# Altium PCB ZYNQ_JTY_16CH.PcbDoc (part 2 of 4) (continued)
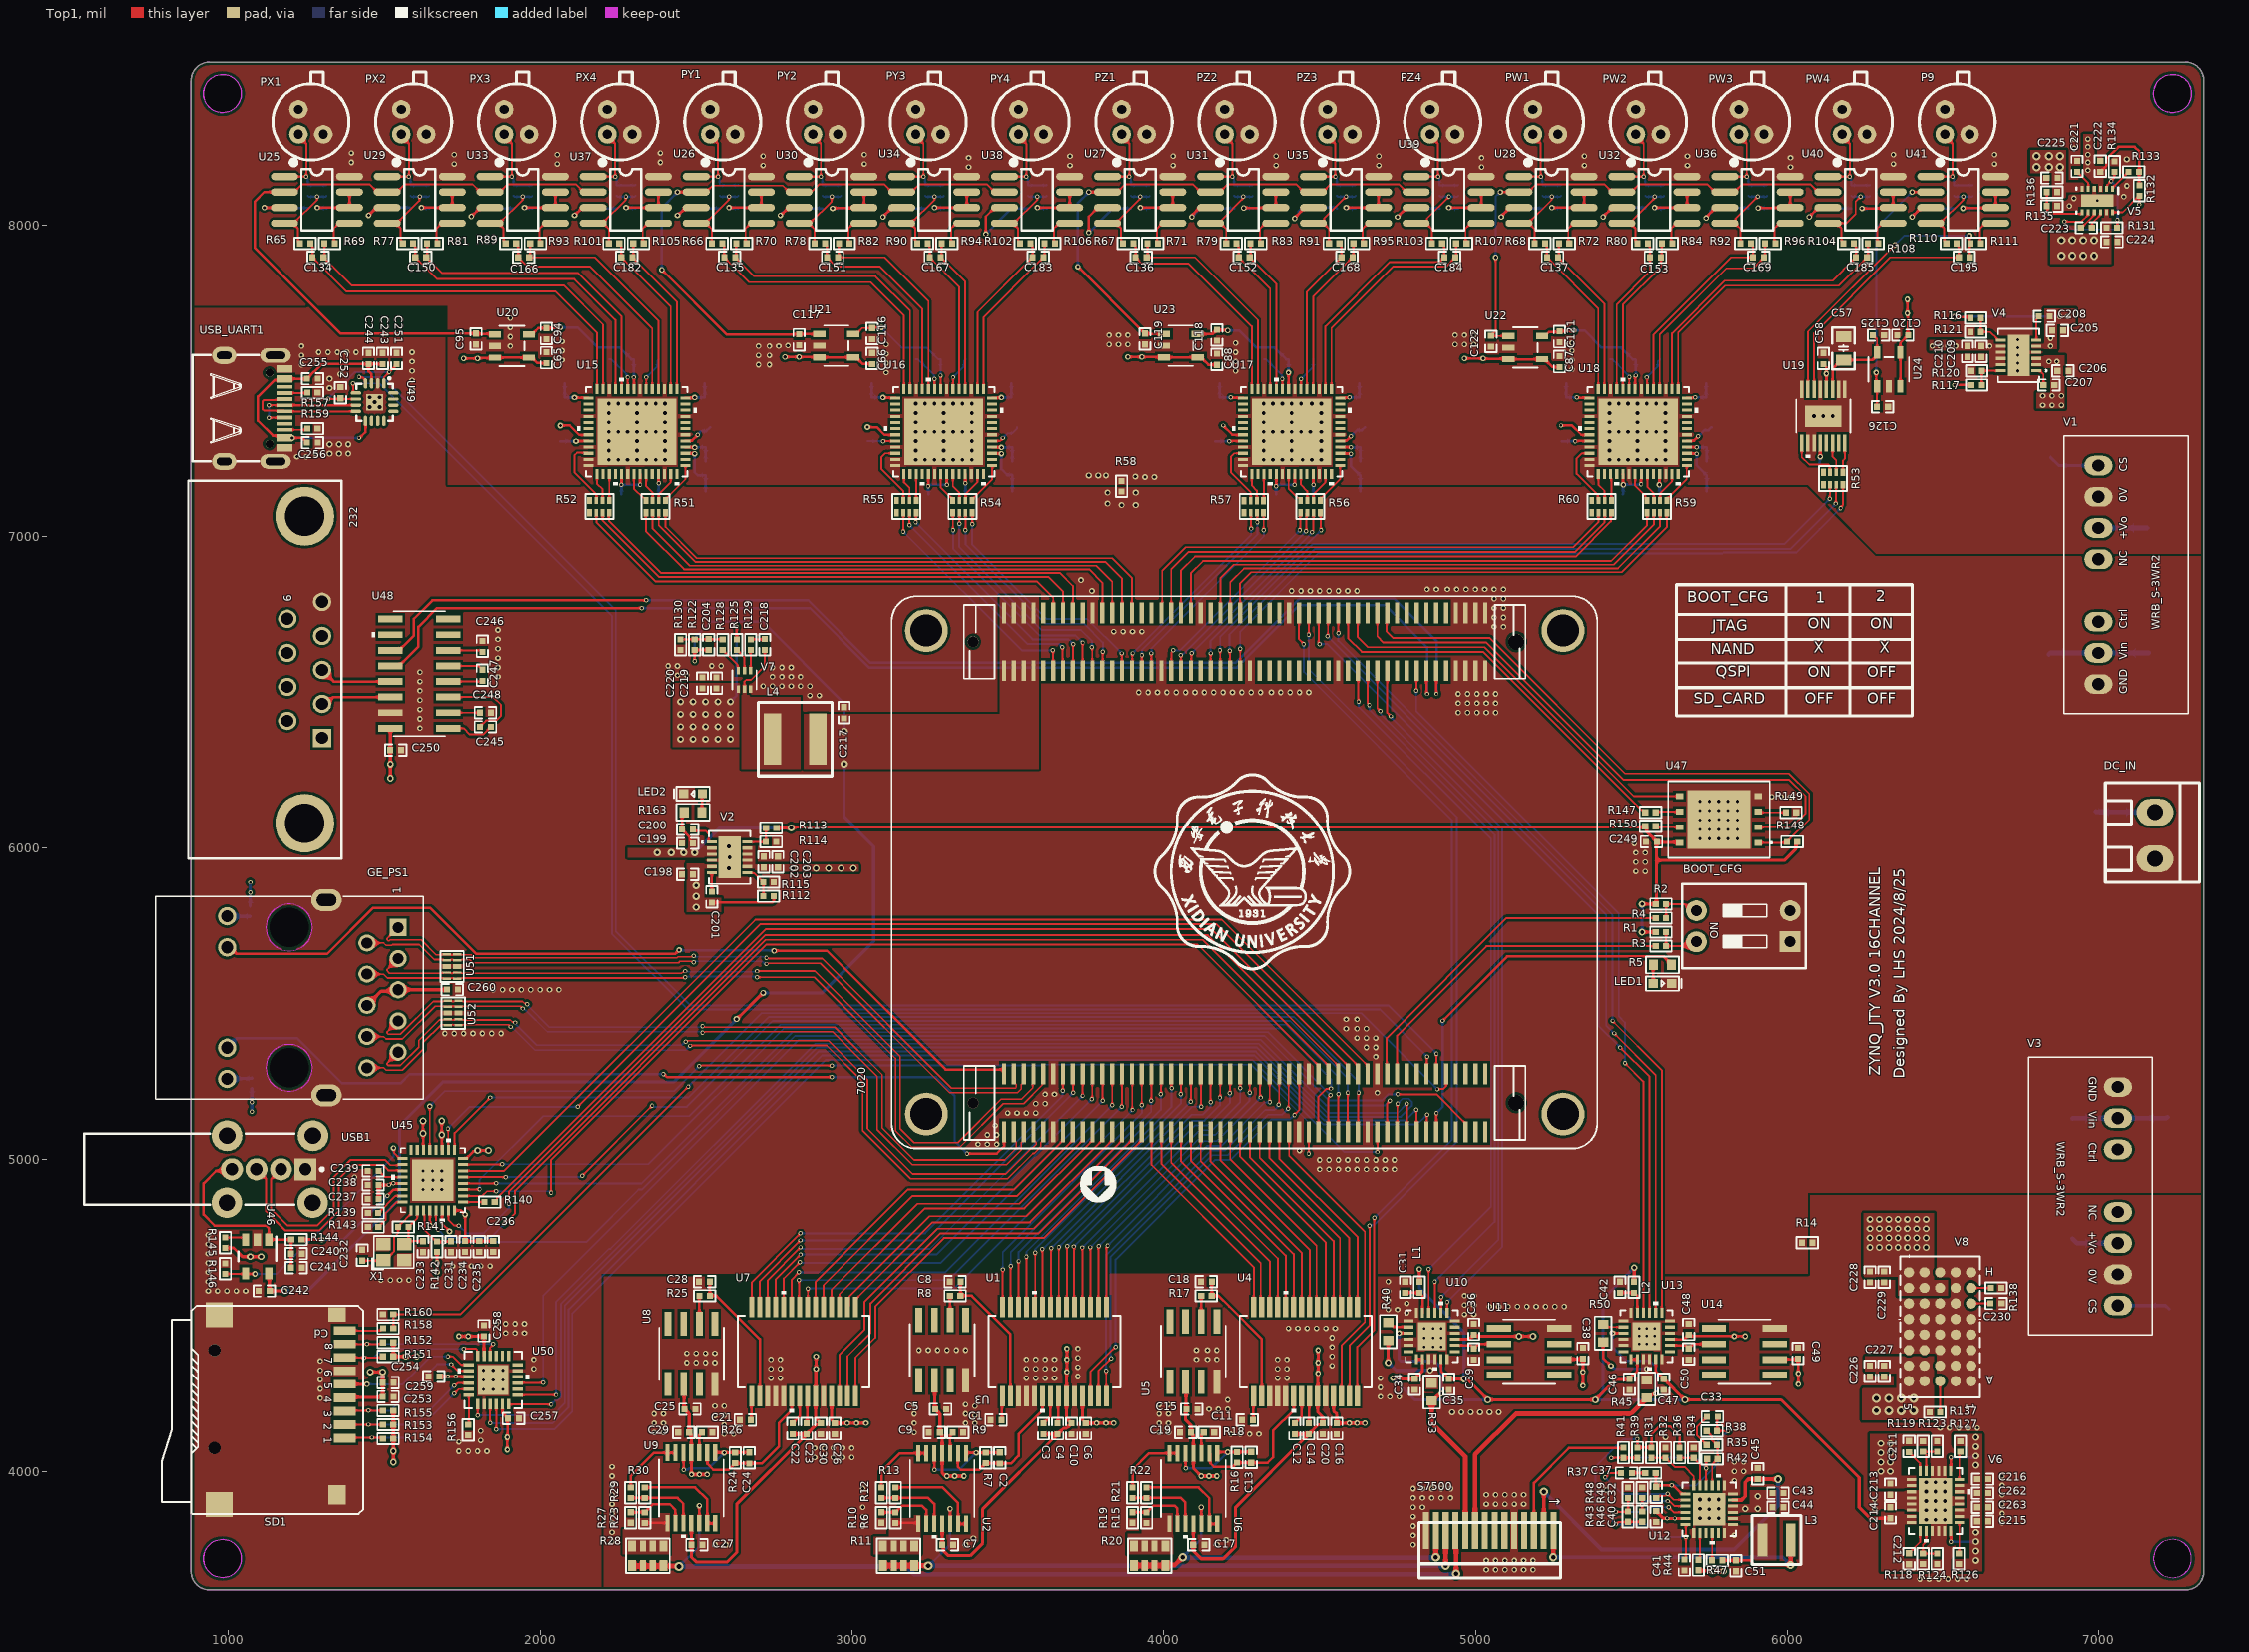
[diagram p0: Top1 view]
## Nets (pads, with @x,y where several pads share a name; then routed paths per layer and width w, separated by ;. In a path a pad name is that pad's centre, name@x,y a point inside that pad or via, vN(x,y) a via of type N, cw(c..) or ccw(c..) an arc to the next point about the centre after c; other vN are vias at no path point) (continued)
  other v5: 6880,7900 6915,7900 6950,7900 6985,7900 6880,7950 6915,7950 6950,7950 6985,7950
+A5_PD: C65.2 C66.2 C87.2 C88.2 C120.2 C209.1 C210.1 C222.1 E1.1 R132.2 R133.2 U20.3 U20.4 U21.3 U21.4 U22.3 U22.4 U23.3 U23.4 U24.3 U24.4 V1.6 V4.8 V4.9 V4.10 V4.11 V5.3 | length 1909
  Top1 w8: v1(1755,7570) v1(1800,7570) 1801.3,7571.3 1854.45,7571.3 U20.3@1855.75,7572.6 U20.4@1964.25,7572.6 1974,7572.6 1991.6,7555 C65.2@2020,7555 ; v1(2785,7575) v1(2830,7575) 2830.7,7574.3 2895.05,7574.3 U21.3@2895.75,7573.6 U21.4@3004.25,7573.6 3014,7573.6 3035.31,7552.28 C66.2@3065,7552.28 ; v1(3885,7575) v1(3930,7575) 3930.7,7574.3 4000.05,7574.3 U23.3@4000.75,7573.6 U23.4@4109.25,7573.6 4119,7573.6 4143.03,7549.57 C88.2@4170,7549.57 ; v1(4965,7570) v1(5025,7570) 5026.2,7568.8 5104.55,7568.8 U22.3@5105.75,7567.6 U22.4@5214.25,7567.6 5224,7567.6 5230,7561.6 5230,7560.44 5248.16,7542.28 C87.2@5270,7542.28 ; U24.3@6362.4,7480.75 U24.4@6362.4,7589.25 6362.4,7619.69 C120.2@6387.72,7645 6386.36,7646.36 6386.36,7713.64 v1(6385,7715) v1(6385,7760) ; C222.1@7005,8170 7024.84,8189.84 7024.84,8212.13 7062.71,8250 7115,8250 7130,8235 7130,8171.54 7129.23,8170.77 7129.23,8127.5 R132.2@7130,8126.73
  Bottom4 w15: V1.6@6998.74,7026.62 7154.73,7026.62 E1.1@7155,7026.89
  other v1: 6465,7610 6490,7610 6515,7610 6540,7610 6650,7610 6965,8175 6965,8200 6965,8225 6965,8250 6965,8275
+A9_S7500: C215.2 C216.2 C228.1 C229.1 C262.2 C263.2 E5.1 R126.2 R127.2 V3.6 V6.14 V6.16 V6.17 V6.20 V6.21 V6.23 V8.G3 V8.G4 V8.G5 V8.H4 V8.H5 | length 392
  Top1 w8: V6.14@6524.21,3808.45 6524.61,3808.06 6524.61,3775.39 v2(6525,3775) ; V6.23@6524.21,4001.55 6524.61,4001.94 6524.61,4044.61 v2(6525,4045)
  Bottom4 w8: v2(6525,3775) v3(6605,3775) ; v2(6525,4045) 6596.21,4045 6601.21,4050 v3(6605,4050)
  Bottom4 w15: E5.1@6915,4748.11 6929.73,4733.38 V3.6@7061.26,4733.38
  other v3: 6605,3715 6605,3745 6605,3805 6605,4020 6605,4080 6605,4110 6265,4720 6295,4720 6325,4720 6355,4720 6385,4720 6415,4720 6445,4720 6265,4750 6295,4750 6325,4750 6355,4750 6385,4750 6415,4750 6445,4750 6265,4780 6295,4780 6325,4780 6355,4780 6385,4780 6415,4780 6445,4780 6265,4810 6295,4810 6325,4810 6355,4810 6385,4810 6415,4810 6445,4810
+D2V5_PD: C59.1 C75.1 C76.1 C85.1 C86.1 C104.1 C105.1 C114.1 C115.1 C205.1 C208.2 R116.2 U15.31 U15.34 U15.37 U16.31 U16.34 U16.37 U17.31 U17.34 U17.37 U18.31 U18.34 U18.37 U19.12 V4.5 | length 1354.2
  Top1 w8: v2(2260,7165) 2260.39,7165.39 2260.39,7198.61 U15.31@2260.79,7199 ; U15.34@2319.84,7199 2319.92,7198.92 2319.92,7165.08 v2(2320,7165) ; U15.37@2378.9,7199 2379.45,7198.45 2379.45,7170.55 v2(2380,7170) ; v2(3245,7160) 3245.39,7160.39 3245.39,7198.61 U16.31@3245.79,7199 ; U16.34@3304.84,7199 3304.92,7198.92 3304.92,7165.08 v2(3305,7165) ; U16.37@3363.9,7199 3364.45,7198.45 3364.45,7170.55 v2(3365,7170) ; v2(4360,7160) 4360.39,7160.39 4360.39,7198.61 U17.31@4360.79,7199 ; U17.34@4419.84,7199 4419.92,7198.92 4419.92,7165.08 v2(4420,7165) ; U17.37@4478.9,7199 4479.45,7198.45 4479.45,7165.55 v2(4480,7165) ; U18.31@5473.19,7199 5474.1,7198.09 5474.1,7165.9 v1(5475,7165) ; v2@5530,7165 v2(5531.31,7166.31) 5531.78,7166.78 5531.78,7198.53 U18.34@5532.25,7199 ; v1(5590,7165) 5590.65,7165.65 5590.65,7198.35 U18.37@5591.3,7199 ; v1(6105.16,7255.16) U19.12@6105.16,7299 ; v1(6535.96,7704.04) 6536.91,7703.09 6584.38,7703.09 R116.2@6587.46,7700
  Bottom4 w8: C75.1@2260.43,7135 2260.22,7135.22 2260.22,7164.78 v2(2260,7165) v2(2320,7165) ; C76.1@2379.57,7135 2379.78,7135.22 2379.78,7169.78 v2(2380,7170) ; C85.1@3245.43,7135 3245.22,7135.22 3245.22,7159.78 v2(3245,7160) 3246.62,7160 3251.62,7165 v2(3305,7165) ; C86.1@3364.57,7135 3364.78,7135.22 3364.78,7169.78 v2(3365,7170) ; C104.1@4360.43,7135 4360.22,7135.22 4360.22,7159.78 v2(4360,7160) 4361.62,7160 4366.62,7165 v2(4420,7165) ; C105.1@4479.57,7135 4479.78,7135.22 4479.78,7164.78 v2(4480,7165) ; C114.1@5472.84,7135 5473.92,7136.08 5473.92,7163.92 v1(5475,7165) 5475.66,7165.66 5530.66,7165.66 v2(5531.31,7166.31) ; v1(5590,7165) 5590.99,7164.01 5590.99,7135.98 C115.1@5591.97,7135 ; C59.1@6102.72,7235 6103.94,7236.22 6103.94,7253.94 v1(6105.16,7255.16) ; v1(6535.96,7704.04) 6536.44,7704.52 6874.52,7704.52 v1(6875,7705)
  other v1: 6845,7610 6845,7635 6900,7705
+D9: C202.1 C203.1 C219.2 C220.2 C261.2 DC_IN.1 E3.1 E4.1 E7.1 E8.1 E10.1 R125.1 V1.2 V2.8 V2.9 V2.10 V2.11 V3.2 V7.1 | length 1108.6
  Top1 w8: R125.1@2630,6670 v2(2630,6710)
  Bottom4 w8: v3(2610,6470) 2630,6490 v2(2630,6710)
  Bottom4 w15: E4.1@6840,6621.89 6844.73,6626.62 V1.2@6998.74,6626.62 7159.73,6626.62 E3.1@7160,6626.89 ; E8.1@6915,5131.89 6916.49,5133.38 V3.2@7061.26,5133.38 7216.49,5133.38 E7.1@7220,5136.89 ; C261.2@6990,6117.72 6991.36,6116.36 7178.64,6116.36 DC_IN.1@7180,6115
  other v3: 2810,5935 2850,5935 2885,5935 2925,5935 2965,5935 3005,5935 2450,6350 2490,6350 2530,6350 2570,6350 2610,6350 2450,6390 2490,6390 2530,6390 2570,6390 2610,6390 2450,6430 2490,6430 2530,6430 2570,6430 2610,6430 2450,6470 2490,6470 2530,6470 2570,6470
-5V_S7500: C3.2 C4.2 C7.2 C10.2 C12.2 C14.2 C17.2 C20.2 C22.2 C23.2 C27.2 C30.2 C226.1 C227.1 R137.1 U1.23 U2.11 U4.23 U6.11 U7.23 U9.11 V8.A4 V8.A5 V8.B4 V8.B5 | length 3163.7
  Top1 w10: U9.11@2484.41,3833.4 2484.49,3833.32 2484.49,3725.51 2500,3710 2600,3710 2630,3740 2630,3894.57 C23.2@2855,4119.57 ; C22.2@2810,4119.57 C23.2@2855,4119.57 ; v1(2885,4370) v1(2885,4330) 2884.2,4329.2 2884.2,4242.8 U7.23@2883.4,4242 2883.4,4171.6 C30.2@2900,4155 2895.16,4150.15 2885.59,4150.15 C23.2@2855,4119.57 ; U2.11@3290,3831.7 3289.78,3831.48 3289.78,3765.22 C7.2@3289.57,3765 3294.41,3760.16 3294.41,3745.59 3310,3730 3380,3730 3420,3770 3420,3879.57 C4.2@3660,4119.57 ; C3.2@3615,4119.57 C4.2@3660,4119.57 ; v1(3690,4395) v1(3690,4360) v1(3690,4320) 3689.2,4319.2 3689.2,4242.8 U1.23@3688.4,4242 3688.4,4171.6 C10.2@3705,4155 3688.55,4138.55 3678.98,4138.55 C4.2@3660,4119.57 ; U6.11@4095,3831.7 4094.78,3831.48 4094.78,3765.22 C17.2@4094.57,3765 4094.57,3745.43 4120,3720 4190,3720 4230,3760 4230,3885 4459.72,4114.72 4460.16,4114.72 C14.2@4465,4119.57 ; C12.2@4420,4119.57 C14.2@4465,4119.57 ; v1(4495,4390) v1(4495,4350) v1(4495,4315) 4494.2,4314.2 4494.2,4242.8 U4.23@4493.4,4242 4493.4,4191.6 4510,4175 C20.2@4510,4155 4505.16,4150.15 4495.59,4150.15 C14.2@4465,4119.57
  other v6: 6285,4195 6325,4195 6365,4195 6405,4195 6285,4235 6325,4235 6365,4235 6405,4235
-A4_PD: C139.1 C141.1 C143.1 C145.1 C155.1 C157.1 C159.1 C161.1 C171.1 C173.1 C175.1 C177.1 C187.1 C189.1 C191.1 C193.1 C197.1 C225.1 R136.1 U25.6 U25.7 U26.6 U26.7 U27.6 U27.7 U28.6 U28.7 U29.6 U29.7 U30.6 U30.7 U31.6 U31.7 U32.6 U32.7 U33.6 U33.7 U34.6 U34.7 U35.6 U35.7 U36.6 U36.7 U37.6 U37.7 U38.6 U38.7 U39.6 U39.7 U40.6 U40.7 U41.6 U41.7 V5.6 | length 3114.7
  Top1 w8: v1@1285,8055 v1(1285.23,8054.77) 1285.46,8055 U25.6@1388.98,8055 U25.7@1388.98,8105 ; v1(1620,8055) U29.6@1718.98,8055 U29.7@1718.98,8105 ; v1(1950,8055) U33.6@2048.98,8055 U33.7@2048.98,8105 ; v1(2275,8055) U37.6@2378.98,8055 U37.7@2378.98,8105 ; v1@2605,8055 v1(2605.23,8054.77) 2605.34,8054.89 2708.86,8054.89 U26.6@2708.98,8055 U26.7@2708.98,8105 ; v1@2935,8055 v1(2937.73,8052.27) 2939.09,8053.64 3037.61,8053.64 U30.6@3038.98,8055 U30.7@3038.98,8105 ; v1@3265,8055 v1(3265.23,8054.77) 3265.34,8054.89 3368.86,8054.89 U34.6@3368.98,8055 U34.7@3368.98,8105 ; v1@3595,8055 v1(3595.23,8054.77) 3595.34,8054.89 3698.86,8054.89 U38.6@3698.98,8055 U38.7@3698.98,8105 ; v1(3925,8055) U27.6@4028.98,8055 U27.7@4028.98,8105 ; v1@4255,8055 v1(4256.31,8053.69) 4256.97,8054.34 4358.32,8054.34 U31.6@4358.98,8055 U31.7@4358.98,8105 ; v1(4585,8055) U35.6@4688.98,8055 U35.7@4688.98,8105 ; v1(4915,8055) U39.6@5018.98,8055 U39.7@5018.98,8105 ; v1@5245.43,8054.97 U28.6@5348.95,8054.97 ; U28.6@5348.98,8055 U28.7@5348.98,8105 ; v1(5575,8055) U32.6@5678.98,8055 U32.7@5678.98,8105 ; v1@5905,8055 v1(5906.31,8053.69) 5906.97,8054.34 6008.32,8054.34 U36.6@6008.98,8055 U36.7@6008.98,8105 ; v1(6239.12,8052.5) 6336.48,8052.5 U40.6@6338.98,8055 U40.7@6338.98,8105 ; v1(6563.41,8052.95) 6564.43,8053.98 6667.95,8053.98 U41.6@6668.98,8055 U41.7@6668.98,8105
  Bottom4 w8: v1(1285.23,8054.77) 1286.26,8053.74 1313.97,8053.74 C141.1@1315,8052.72 ; v1(1620,8055) 1621.14,8053.86 1643.86,8053.86 C155.1@1645,8052.72 ; v1(1950,8055) 1951.14,8053.86 1973.86,8053.86 C171.1@1975,8052.72 ; v1(2275,8055) 2276.14,8053.86 2303.86,8053.86 C187.1@2305,8052.72 ; v1(2605.23,8054.77) 2606.26,8053.74 2633.97,8053.74 C139.1@2635,8052.72 ; v1(2937.73,8052.27) 2937.95,8052.49 2964.78,8052.49 C157.1@2965,8052.72 ; v1(3265.23,8054.77) 3266.26,8053.74 3293.97,8053.74 C173.1@3295,8052.72 ; v1(3595.23,8054.77) 3596.26,8053.74 3623.97,8053.74 C189.1@3625,8052.72 ; v1(3925,8055) 3926.62,8055 3928.91,8052.72 C143.1@3955,8052.72 ; v1(4256.31,8053.69) 4256.8,8053.2 4284.52,8053.2 C159.1@4285,8052.72 ; v1(4585,8055) 4586.62,8055 4588.91,8052.72 C175.1@4615,8052.72 ; v1(4915,8055) 4916.62,8055 4918.91,8052.72 C191.1@4945,8052.72 ; v1(5245.4,8054.94) 5246.51,8053.83 5273.89,8053.83 C145.1@5275,8052.72 ; v1(5575,8055) 5576.62,8055 5578.91,8052.72 C161.1@5605,8052.72 ; v1(5906.31,8053.69) 5906.8,8053.2 5934.52,8053.2 C177.1@5935,8052.72 ; v1(6239.12,8052.5) 6239.23,8052.61 6264.89,8052.61 C193.1@6265,8052.72 ; v1(6563.41,8052.95) 6563.53,8052.84 6594.88,8052.84 C197.1@6595,8052.72
  other v5: 6800,8185 6840,8185 6875,8185 6800,8220 6840,8220 6875,8220
/CS_GAIN: 7020.J1_76 U10.21 | length 2308.8
  Top1 w6: 7020.J1_76@4653.94,6569.65 4654.47,6569.12 4654.47,6465.32 4658.81,6460.98 v2(4658.81,6458.81) ; U10.21@4869.84,4509.5 4869.92,4509.58 4869.92,4609.92 v2(4870,4610)
  Bottom4 w6: v2(4658.81,6458.81) 4660,6457.63 4660,6445 5062,6043 5062,4802 v2(4870,4610)
/CS_SOA: 7020.J1_65 U13.21 | length 2700.5
  Top1 w6: 7020.J1_65@4496.46,6754.69 4496.46,6660.71 4500,6657.16 v2(4500,6655) ; v2(5464,5360) 5465,5360 5558.84,5266.16 U13.21@5558.84,4509.5
  Bottom4 w6: v2(4500,6655) 4525,6655 5395,5785 5395,5430 5464,5361 v2(5464,5360)
/RST_GAIN: 7020.J1_74 U10.22 | length 2320.2
  Top1 w6: 7020.J1_74@4622.44,6569.65 4623.72,6568.37 4623.72,6471.28 v2(4625,6470) ; v2(4850,4650) 4850.08,4649.92 4850.08,4509.58 U10.22@4850.16,4509.5
  Bottom4 w6: v2(4625,6470) 4625,6455 5050,6030 5050,4850 v2(4850,4650)
/RST_SOA: 7020.J1_86 U13.22 | length 2362.8
  Top1 w6: v2(4810,6505) 4810.73,6505.73 4810.73,6568.92 7020.J1_86@4811.46,6569.65 ; v2(5480,5310) 5539.16,5250.84 U13.22@5539.16,4509.5
  Bottom4 w6: v2(4810,6505) 4810,6440 5460,5790 5460,5460 5480,5440 v2(5480,5310)
AGND1: C52.2 C53.2 C54.2 C55.2 C56.1 C57.2 C58.2 C59.2 C60.2 C61.2 C62.2 C63.2 C64.1 C65.1 C66.1 C67.2 C68.2 C69.2 C70.2 C71.2 C72.2 C73.2 C74.2 C75.2 C76.2 C77.2 C78.2 C79.2 C80.2 C81.2 C82.2 C83.2 C84.2 C85.2 C86.2 C87.1 C88.1 C89.2 C90.2 C91.2 C92.2 C93.1 C94.1 C95.1 C96.2 C97.2 C98.2 C99.2 C100.2 C101.2 C102.2 C103.2 C104.2 C105.2 C106.2 C107.2 C108.2 C109.2 C110.2 C111.2 C112.2 C113.2 C114.2 C115.2 C116.1 C117.1 C118.1 C119.1 C120.1 C121.1 C122.1 C123.2 C124.2 C125.1 C126.1 C127.2 C128.2 C129.1 C138.2 C139.2 C140.2 C141.2 C142.2 C143.2 C144.2 C145.2 C154.2 C155.2 C156.2 C157.2 C158.2 C159.2 C160.2 C161.2 C170.2 C171.2 C172.2 C173.2 C174.2 C175.2 C176.2 C177.2 C186.2 C187.2 C188.2 C189.2 C190.2 C191.2 C192.2 C193.2 C196.2 C197.2 C205.2 C206.2 C209.2 C210.2 C221.2 C222.2 C224.1 C225.2 E1.2 E2.2 P9.1 P9.3 PW1.1 PW1.3 PW2.1 PW2.3 PW3.1 PW3.3 PW4.1 PW4.3 PX1.1 PX1.3 PX2.1 PX2.3 PX3.1 PX3.3 PX4.1 PX4.3 PY1.1 PY1.3 PY2.1 PY2.3 PY3.1 PY3.3 PY4.1 PY4.3 PZ1.1 PZ1.3 PZ2.1 PZ2.3 PZ3.1 PZ3.3 PZ4.1 PZ4.3 R58.1 R120.1 R121.1 R134.1 R135.2 U15.3 U15.7 U15.12 U15.18 U15.23 U15.25 U15.26 U15.32 U15.38 U15.46 U15.49 U15.53 U16.3 U16.7 U16.12 U16.18 U16.23 U16.25 U16.26 U16.32 U16.38 U16.46 U16.49 U16.53 U17.3 U17.7 U17.12 U17.18 U17.23 U17.25 U17.26 U17.32 U17.38 U17.46 U17.49 U17.53 U18.3 U18.7 U18.12 U18.18 U18.23 U18.25 U18.26 U18.32 U18.38 U18.46 U18.49 U18.53 U19.1 U19.2 U19.5 U19.8 U19.10 U19.11 U19.17 U20.2 U21.2 U22.2 U23.2 U24.2 U25.8 U26.8 U27.8 U28.8 U29.8 U30.8 U31.8 U32.8 U33.8 U34.8 U35.8 U36.8 U37.8 U38.8 U39.8 U40.8 U41.8 V1.7 V4.4 V4.13 V5.4 V5.13
  other v1: 3110,7525 4230,7530 6740,7530 5310,7535 2700,7550 2735,7550 3110,7555 6740,7555 4230,7560 2070,7565 5310,7565 2700,7580 2735,7580 6740,7580 3110,7585 4230,7590 2070,7595 5310,7595 6740,7605 1905,7610 2700,7610 2735,7610 2765,7610 2794.33,7611.46 3110,7615 3825,7615 3855,7615 3885,7615 4935,7615 4965,7615 4995,7615 4230,7620 5310,7620 2070,7625 6740,7630 1905,7640 3825,7645 3855,7645 3885,7645 4935,7645 4965,7645 4995,7645 1905,7670 1905,7700 6905,8060 6920,8085 7080,8090 7090,8125 3375,8185 5020,8185 6010,8185 2715,8190 3700,8190 4030,8190 4360,8190 4690,8190 5350,8190 5680,8190 1725,8195 2055,8195 3040,8195 6340,8195 6665,8195 1395,8200 2385,8200 3375,8215 5020,8215 6010,8215 2715,8220 3700,8220 4030,8220 4360,8220 4690,8220 5350,8220 5680,8220 1725,8225 2055,8225 3040,8225 6340,8225 6665,8225 1395,8230 2385,8230 6920,8245 6920,8275
  other v3: 2220,7245 2250,7245 2280,7245 2310,7245 2340,7245 2370,7245 2400,7245 3205,7245 3235,7245 3265,7245 3295,7245 3325,7245 3355,7245 3385,7245 4320,7245 4350,7245 4380,7245 4410,7245 4445,7245 4475,7245 4505,7245 5430,7245 5460,7245 5490,7245 5520,7245 5550,7245 5580,7245 5610,7245 2220,7275 2310,7275 2400,7275 3205,7275 3295,7275 3385,7275 4320,7275 4410,7275 4505,7275 5430,7275 5520,7275 5610,7275 2220,7305 2310,7305 2400,7305 3205,7305 3295,7305 3385,7305 4320,7305 4410,7305 4505,7305 5430,7305 5520,7305 5610,7305 2220,7335 2250,7335 2280,7335 2310,7335 2340,7335 2370,7335 2400,7335 3205,7335 3235,7335 3265,7335 3295,7335 3325,7335 3355,7335 3385,7335 4320,7335 4350,7335 4380,7335 4410,7335 4440,7335 4470,7335 4505,7335 5430,7335 5460,7335 5490,7335 5520,7335 5550,7335 5580,7335 5610,7335 2220,7365 2310,7365 2400,7365 3205,7365 3295,7365 3385,7365 4320,7365 4410,7365 4505,7365 5430,7365 5520,7365 5610,7365 6085,7385 6115,7385 6145,7385 2220,7395 2310,7395 2400,7395 3205,7395 3295,7395 3385,7395 4320,7395 4410,7395 4505,7395 5430,7395 5520,7395 5610,7395 2220,7425 2250,7425 2280,7425 2310,7425 2340,7425 2370,7425 2400,7425 3205,7425 3235,7425 3265,7425 3295,7425 3325,7425 3355,7425 3385,7425 4320,7425 4350,7425 4380,7425 4410,7425 4440,7425 4475,7425 4505,7425 5430,7425 5460,7425 5490,7425 5520,7425 5550,7425 5580,7425 5610,7425
  other v4: 3940,7190 3970,7190 3909.21,7191.64 3760,7195 3790,7195 3815,7195 7090,8210
AGND2: C1.2 C5.1 C6.1 C7.1 C8.1 C9.1 C10.1 C11.2 C15.1 C16.1 C17.1 C18.1 C19.1 C20.1 C21.2 C25.1 C26.1 C27.1 C28.1 C29.1 C30.1 C31.2 C34.1 C35.1 C36.1 C38.1 C39.1 C40.2 C41.1 C42.2 C43.1 C44.1 C45.1 C46.1 C47.1 C48.1 C49.1 C50.1 C51.1 C213.1 C214.1 C215.1 C216.1 C226.2 C227.2 C228.2 C229.2 C230.2 C262.1 C263.1 E5.2 E6.2 R9.1 R10.1 R14.1 R18.1 R19.1 R26.1 R27.1 R32.1 R34.1 R48.1 R49.1 R123.1 R124.1 R138.1 S7500.5 S7500.14 U1.17 U1.18 U1.19 U1.24 U3.4 U4.17 U4.18 U4.19 U4.24 U5.4 U7.17 U7.18 U7.19 U7.24 U8.4 U10.1 U10.4 U10.5 U10.12 U10.16 U10.18 U10.24 U10.25 U11.4 U12.7 U12.12 U12.13 U12.18 U12.19 U12.25 U13.1 U13.4 U13.5 U13.12 U13.16 U13.18 U13.24 U13.25 U14.4 V3.7 V6.3 V6.4 V6.5 V6.6 V6.11 V6.12 V6.13 V6.18 V6.19 V6.24 V6.25 V6.26 V6.29 V8.A1 V8.A2 V8.B1 V8.B2 V8.B3 V8.C1 V8.C2 V8.C3 V8.C4 V8.C5 V8.D1 V8.D2 V8.D3 V8.D4 V8.D5 V8.E1 V8.E2 V8.E3 V8.E4 V8.E5 V8.F2 V8.F3 V8.F4 V8.F5 V8.G2 V8.H1 V8.H2 V8.H3
  other v1: 6425,3655 6455,3655 6485,3655 6515,3655 6545,3655 6575,3655 5035,3685 5065,3685 5095,3685 5125,3685 5155,3685 5185,3685 5035,3715 5065,3715 5095,3715 5125,3715 5155,3715 5185,3715 4800,3765 2230,3775 4800,3795 5830,3795 2230,3805 3035,3825 4800,3825 2230,3835 6690,3835 3035,3855 4800,3855 2230,3865 6690,3865 6280,3880 3035,3885 4800,3885 4830,3885 2230,3895 5035,3895 5065,3895 5095,3895 5125,3895 5155,3895 6690,3895 6280,3910 3035,3915 4800,3915 4830,3915 4860,3915 4890,3915 4920,3915 2230,3925 5035,3925 5065,3925 5095,3925 5125,3925 5155,3925 6690,3925 5420,3940 3035,3945 4800,3945 4830,3945 4860,3945 4890,3945 4920,3945 2230,3955 6690,3955 5830,3970 2230,3985 6690,3985 5830,4000 5860,4000 2230,4015 5830,4030 5860,4030 2880,4045 2910,4045 2940,4045 2970,4045 3000,4045 2880,4075 2910,4075 2940,4075 2970,4075 3000,4075 2590,4120 2620,4120 4215,4120 4245,4120 4275,4120 4305,4120 2365,4125 2395,4125 3200,4125 3985,4125 4015,4125 6490,4140 6520,4140 6550,4140 6580,4140 6610,4140 2590,4150 2365,4155 2395,4155 3200,4155 3365,4155 3395,4155 3985,4155 4015,4155 2560,4180 2590,4180 3395,4180 2365,4185 2395,4185 3200,4185 3365,4185 3985,4185 4015,4185 4145,4200 4175,4200 4205,4200 2560,4210 2590,4210 3395,4210 3200,4215 3365,4215 3985,4215 4015,4215 4205,4230 4695,4240 4725,4240 4755,4240 4695,4270 2740,4300 2770,4300 3560,4300 3590,4300 3620,4300 3650,4300 4365,4300 4395,4300 4695,4300 3725,4305 2740,4330 2770,4330 3560,4330 3590,4330 3620,4330 3650,4330 4365,4330 4395,4330 3725,4335 4540,4340 2470,4350 2500,4350 2530,4350 2560,4350 2740,4360 2770,4360 3560,4360 3590,4360 3620,4360 3650,4360 4105,4360 4140,4360 4170,4360 4365,4360 4395,4360 3725,4365 4540,4370 2470,4380 2500,4380 2530,4380 2560,4380 3215,4390 3245,4390 3275,4390 3305,4390 3335,4390 3365,4390 4105,4390 4140,4390 4170,4390 3725,4395 4540,4400 4540,4430 4400,4460 4430,4460 4460,4460 4490,4460 4520,4460 4550,4460 4965,4505 4995,4505 4780,4510 4720,4520 4750,4520 5045,4530 5075,4530 5105,4530 5135,4530 5165,4530 5195,4530 5225,4530 5255,4530 5285,4530 4965,4535 4995,4535 4780,4540 4720,4550 4965,4565 4995,4565 4720,4580 4720,4610
  other v2: 4835,4400 4865,4400 4890,4400 5525,4410 5550,4410 5575,4410 4835,4430 4865,4430 4890,4430 5525,4435 5549,4435 5575,4435 4835,4460 4865,4460 4890,4460 5525,4460 5550,4460 5575,4460
  other v3: 6445,3845 6475,3845 6505,3845 5720,3850 5750,3850 5780,3850 6445,3875 6475,3875 6505,3875 5749.53,3878.5 5720,3880 5780,3880 6445,3905 6475,3905 6505,3905 5720,3910 5750,3910 5780,3910 6445,3935 6475,3935 6505,3935 6445,3965 6475,3965 6505,3965
  other v4: 2560,3765 2595,3765 3365,3765 4170,3765 4200,3780 3390,3785 5610,4110 4925,4190 4955,4190 4985,4190 5015,4190 5045,4190 5075,4190
BOOT_MODE1: 7020.J2_79 R4.2 | length 1138.6
  Top1 w6: 7020.J2_79@4716.97,5275 4715,5276.97 4715,5390 5100,5775 R4.2@5578.27,5775
BOOT_MODE2: 7020.J2_81 R3.2 | length 1071.9
  Top1 w6: 7020.J2_81@4748.51,5275 4748.51,5398.51 5035,5685 R3.2@5578.27,5685
CH343_N: U49.8 USB_UART1.5 USB_UART1.7 | length 402
  Top1 w6: USB_UART1.5@1180.33,7439.53 1177.43,7436.62 1113.51,7436.62 1110,7433.11 1110,7406.58 1113.51,7403.06 1177.43,7403.06 USB_UART1.7@1180.33,7400.16 1180.44,7400.27 1409.64,7400.27 U49.8@1409.76,7400.39
CH343_P: U49.7 USB_UART1.6 USB_UART1.8 | length 370.4
  Top1 w6: v2(1130,7380) 1130.24,7380.24 1180.09,7380.24 USB_UART1.8@1180.33,7380.47 ; v2(1130,7420) 1130.08,7419.92 1180.25,7419.92 USB_UART1.6@1180.33,7419.84
  Top1 w8: USB_UART1.6@1180.33,7419.84 1180.44,7419.96 1409.64,7419.96 U49.7@1409.76,7420.07
  Bottom4 w6: v2(1130,7380) v2(1130,7420)
CLKA: 7020.J2_61 U1.26 | length 1375.6
  Top1 w6: U1.26@3765.2,4242 3765.2,4320.32 3844.88,4400 v2(3846.05,4400) ; v2(4418.69,5143.69) 4418.69,5144.2 4434.26,5159.77 4434.26,5274.26 7020.J2_61@4433.51,5275
  Bottom4 w6: v2(3846.05,4400) 3846.05,4681.05 4165,5000 4215,5000 4345,5130 4405,5130 v2(4418.69,5143.69)
CLKB: 7020.J2_26 U7.26 | length 1404.1
  Top1 w6: U7.26@2960.2,4242 2960,4242.2 2960,4375 3040,4455 3040,4545 3275,4780 3583.15,4780 3866.54,5063.39 7020.J2_26@3866.54,5089.96
CLKC: 7020.J2_60 U4.26 | length 979.6
  Top1 w6: 7020.J2_60@4401.97,5089.96 4401.97,5013.03 4645,4770 4645,4480 4570.2,4405.2 U4.26@4570.2,4242
CNV: R53.3 U19.9 | length 167.5
  Top1 w6: U19.9@6046.1,7299 6046.1,7253.9 6070,7230 6131.49,7230 6135,7226.49 6135,7206.65 R53.3@6136.65,7205
CNV9: 7020.J1_46 R53.6 | length 2293.4
  Top1 w6: v2(4180,6635) 4180.75,6634.25 4180.75,6570.4 7020.J1_46@4181.5,6569.65 ; v2(6135,7120) 6135.83,7120.83 6135.83,7164.8 R53.6@6136.65,7165.63
  Bottom4 w6: v2(4180,6635) 4180.99,6635.99 4180.99,6679.01 4476.97,6975 5990,6975 v2(6135,7120)
DB0A: 7020.J2_29 U1.14 | length 932.1
  Top1 w6: U1.14@3483.6,4528 3483.95,4528.35 3483.95,4648.95 v2(3484.3,4649.3) ; 7020.J2_29@3929.53,5275 3929.65,5274.88 3929.65,5175.35 v2(3929.77,5175.23)
  Bottom4 w6: v2(3484.3,4649.3) 3484.3,4704.3 3930,5150 3930,5175 v2(3929.77,5175.23)
DB0B: 7020.J2_13 U7.14 | length 1395.1
  Top1 w6: U7.14@2678.6,4528 2678.6,4608.6 v2(2835,4765) ; v2(3676.84,5221.84) 3677.2,5222.2 3677.2,5274.64 7020.J2_13@3677.56,5275
  Bottom4 w6: v2(2835,4765) 3235,4765 3675.84,5205.84 3675.84,5220.84 v2(3676.84,5221.84)
DB0C: 7020.J2_32 U4.14 | length 698.1
  Top1 w6: 7020.J2_32@3961.03,5089.96 3961.03,4983.97 4288.6,4656.4 U4.14@4288.6,4528 U4.14@4288.95,4528.35
DB1A: 7020.J2_31 U1.13 | length 934.2
  Top1 w6: U1.13@3509.2,4528 3509.6,4528.4 3509.6,4659.6 v2(3510,4660) ; v2(3960,5190) 3960.52,5190.52 3960.52,5274.48 7020.J2_31@3961.03,5275
  Bottom4 w6: v2(3510,4660) 3510,4705 3960,5155 v2(3960,5190)
DB1B: 7020.J2_15 U7.13 | length 1399.7
  Top1 w6: U7.13@2704.2,4528 2704.2,4611.57 v2(2835,4742.37) ; 7020.J2_15@3709.06,5275 3709.53,5274.53 3709.53,5215.47 v2(3710,5215)
  Bottom4 w6: v2(2835,4742.37) 3237.37,4742.37 v2(3710,5215)
DB1C: 7020.J2_34 U4.13 | length 690.5
  Top1 w6: 7020.J2_34@3992.52,5089.96 3992.52,4987.48 4310.5,4669.5 U4.13@4310.5,4531.7 ; U4.13@4314.2,4528 U4.13@4314.6,4528.4
DB2A: 7020.J2_33 U1.12 | length 936.6
  Top1 w6: U1.12@3534.8,4528 3534.9,4528.1 3534.9,4674.9 v2(3535,4675) ; v2(3990.63,5210.63) 3991.57,5211.57 3991.57,5274.06 7020.J2_33@3992.52,5275
  Bottom4 w6: v2(3535,4675) 3535,4705 3990.63,5160.63 v2(3990.63,5210.63)
DB2B: 7020.J2_17 U7.12 | length 1415.6
  Top1 w6: U7.12@2729.8,4528 2729.8,4614.55 v2(2835.13,4719.87) ; v2(3740,5205) 3740.28,5205.28 3740.28,5274.72 7020.J2_17@3740.55,5275
  Bottom4 w6: v2(2835.13,4719.87) 2837.29,4719.87 2842.16,4715 3250,4715 v2(3740,5205)
DB2C: 7020.J2_36 U4.12 | length 692.9
  Top1 w6: 7020.J2_36@4024.02,5089.96 4024.02,4990.98 4339.8,4675.2 U4.12@4339.8,4528 U4.12@4339.9,4528.1
DB3A: 7020.J2_35 U1.11 | length 939.9
  Top1 w6: U1.11@3560.4,4528 v2(3560.39,4689.61) ; 7020.J2_35@4024.02,5275 4024.51,5274.51 4024.51,5230.49 v2(4025,5230)
  Bottom4 w6: v2(3560.39,4689.61) 3560.39,4705.39 4025,5170 v2(4025,5230)
DB3B: 7020.J2_19 U7.11 | length 1424.2
  Top1 w6: U7.11@2755.4,4528 2755.4,4617.52 v2(2835.13,4697.25) ; v2(3770,5195) 3771.03,5196.03 3771.03,5273.97 7020.J2_19@3772.05,5275
  Bottom4 w6: v2(2835.13,4697.25) 3272.25,4697.25 v2(3770,5195)
DB3C: 7020.J2_38 U4.11 | length 690.3
  Top1 w6: 7020.J2_38@4055.51,5089.96 4055.51,4994.49 4365.4,4684.6 U4.11@4365.4,4528
DB4A: 7020.J2_37 U1.10 | length 941.5
  Top1 w6: U1.10@3586,4528 3588.47,4530.47 v2(3588.47,4703.47) ; v2(4055,5210) 4055.26,5210.26 4055.26,5274.74 7020.J2_37@4055.51,5275
  Bottom4 w6: v2(3588.47,4703.47) 3588.78,4703.78 3588.78,4713.78 4055,5180 v2(4055,5210)
DB4B: 7020.J2_21 U7.10 | length 1439.8
  Top1 w6: U7.10@2781,4528 2781,4620.49 v2(2832.75,4672.25) ; 7020.J2_21@3803.55,5275 3804.28,5274.28 3804.28,5190.72 v2(3805,5190)
  Bottom4 w6: v2(2832.75,4672.25) 2834.29,4670.71 2839.56,4670.71 2840.27,4670 3285,4670 v2(3805,5190)
DB4C: 7020.J2_40 U4.10 | length 691.4
  Top1 w6: 7020.J2_40@4087.01,5089.96 4087.01,4997.99 4391,4694 4391,4530.47 U4.10@4391,4528 U4.10@4393.47,4530.47
DB5A: 7020.J2_39 U1.9 | length 945.5
  Top1 w6: v2(3611.31,4713.69) 3611.46,4713.54 3611.46,4528.14 U1.9@3611.6,4528 ; v2(4086.99,5186.99) 7020.J2_39@4087.01,5275
  Bottom4 w6: v2(3611.31,4713.69) 3612.5,4713.69 4085.81,5186.99 v2(4086.99,5186.99)
DB5B: 7020.J2_23 U7.9 | length 1448.3
  Top1 w6: U7.9@2806.6,4528 2806.6,4616.6 v2(2830,4640) ; v2(3835,5175) 7020.J2_23@3835.04,5275
  Bottom4 w6: v2(2830,4640) 3300,4640 v2(3835,5175)
DB5C: 7020.J2_42 U4.9 | length 685.6
  Top1 w6: 7020.J2_42@4118.51,5089.96 4118.51,4996.49 4416.6,4698.4 U4.9@4416.6,4528 U4.9@4416.46,4528.14
DB6A: 7020.J2_41 U1.8 | length 963.6
  Top1 w6: U1.8@3637.2,4528 3639.19,4529.99 v2(3639.19,4717.75) ; 7020.J2_41@4118.51,5275 4119.07,5274.44 4119.07,5170.93 v2(4119.63,5170.37)
  Bottom4 w6: v2(3639.19,4717.75) 4091.81,5170.37 v2(4119.63,5170.37)
DB6B: 7020.J2_25 U7.8 | length 1458.2
  Top1 w6: v2(2830.16,4614.84) 2830,4614.67 2830,4530.2 U7.8@2832.2,4528 ; v2(3865,5170) 3865.77,5170.77 3865.77,5274.23 7020.J2_25@3866.54,5275
  Bottom4 w6: v2(2830.16,4614.84) 3309.84,4614.84 v2(3865,5170)
DB6C: 7020.J2_44 U4.8 | length 685.8
  Top1 w6: 7020.J2_44@4150,5089.96 4150,4995 4442.2,4702.8 U4.8@4442.2,4528 U4.8@4444.19,4529.99
DB7A: 7020.J2_43 U1.7 | length 969.9
  Top1 w6: U1.7@3662.8,4528 3663.67,4528.87 3663.67,4719.6 v2(3664.53,4720.47) ; v2(4150,5185) 7020.J2_43@4150,5275
  Bottom4 w6: v2(3664.53,4720.47) 4089.07,5145 4125,5145 4150,5170 v2(4150,5185)
DB7B: 7020.J2_27 U7.7 | length 1454.2
  Top1 w6: U7.7@2857.8,4528 2858.42,4528.62 2858.42,4587.42 v2(2859.04,4588.04) ; 7020.J2_27@3898.03,5275 3899.02,5274.02 3899.02,5160.98 v2(3900,5160)
  Bottom4 w6: v2(2859.04,4588.04) 3328.04,4588.04 v2(3900,5160)
DB7C: 7020.J2_46 U4.7 | length 681.8
  Top1 w6: 7020.J2_46@4181.5,5089.96 4181.5,4998.5 4467.8,4712.2 U4.7@4467.8,4528 U4.7@4468.67,4528.87
DB8A: 7020.J2_45 U1.6 | length 973.7
  Top1 w6: U1.6@3688.4,4528 3689.62,4529.22 3689.62,4722.93 v2(3690.85,4724.15) ; v2(4180,5200) 4180.75,5200.75 4180.75,5274.25 7020.J2_45@4181.5,5275
  Bottom4 w6: v2(3690.85,4724.15) 4091.7,5125 4130,5125 4180,5175 v2(4180,5200)
DB8B: 7020.J2_14 U7.6 | length 1090.5
  Top1 w6: U7.6@2883.4,4528 2883.4,4609.89 3178.51,4905 3519.18,4905 3677.56,5063.39 7020.J2_14@3677.56,5089.96
DB8C: 7020.J2_48 U4.6 | length 675
  Top1 w6: 7020.J2_48@4212.99,5089.96 4212.99,5002.01 4490,4725 U4.6@4490,4531.4 ; U4.6@4493.4,4528 U4.6@4494.62,4529.22
DB9A: 7020.J2_47 U1.5 | length 979
  Top1 w6: v2(3712.16,4722.84) 3713.08,4721.92 3713.08,4528.92 U1.5@3714,4528 ; v2(4211.5,5213.66) 4212.24,5214.41 4212.24,5274.25 7020.J2_47@4212.99,5275
  Bottom4 w6: v2(3712.16,4722.84) 4099.32,5110 4140,5110 4211.5,5181.5 v2(4211.5,5213.66)
DB9B: 7020.J2_16 U7.5 | length 1090
  Top1 w6: U7.5@2909,4528 2909,4599 3195,4885 3530.68,4885 3709.06,5063.39 7020.J2_16@3709.06,5089.96
DB9C: 7020.J2_50 U4.5 | length 677
  Top1 w6: 7020.J2_50@4244.49,5089.96 4244.49,5010.51 4519,4736 U4.5@4519,4528 U4.5@4518.08,4528.92
DB10A: 7020.J2_49 U1.4 | length 980
  Top1 w6: U1.4@3739.6,4528 v2(3739.61,4719.61) ; 7020.J2_49@4244.49,5275 4244.75,5274.75 4244.75,5230.25 v2(4245,5230)
  Bottom4 w6: v2(3739.61,4719.61) 4115,5095 4155,5095 4245,5185 v2(4245,5230)
DB10B: 7020.J2_18 U7.4 | length 1087.4
  Top1 w6: U7.4@2934.6,4528 2934.6,4584.6 3210,4860 3537.17,4860 3740.55,5063.39 7020.J2_18@3740.55,5089.96
DB10C: 7020.J2_52 U4.4 | length 673.2
  Top1 w6: 7020.J2_52@4275.99,5089.96 4275.99,5009.01 4544.6,4740.4 U4.4@4544.6,4528
DB11A: 7020.J2_51 U1.3 | length 981.8
  Top1 w6: U1.3@3765.2,4528 v2(3765.18,4719.82) ; v2(4275,5215) 4275.5,5215.5 4275.5,5274.5 7020.J2_51@4275.99,5275
  Bottom4 w6: v2(3765.18,4719.82) 4125.36,5080 4165,5080 4275,5190 v2(4275,5215)
DB11B: 7020.J2_20 U7.3 | length 1084.9
  Top1 w6: U7.3@2960.2,4528 2960.2,4570.2 3235,4845 3553.67,4845 3772.05,5063.39 7020.J2_20@3772.05,5089.96
DB11C: 7020.J2_54 U4.3 | length 663.4
  Top1 w6: 7020.J2_54@4307.48,5089.96 4307.48,5007.52 4565,4750 U4.3@4565,4533.2
DB12A: 7020.J2_53 U1.2 | length 987.7
  Top1 w6: U1.2@3790.8,4528 3790.8,4722.81 v2(3791.49,4723.51) ; 7020.J2_53@4307.48,5275 4308.74,5273.74 4308.74,5201.26 v2(4310,5200)
  Bottom4 w6: v2(3791.49,4723.51) 4127.99,5060 4170,5060 v2(4310,5200)
DB12B: 7020.J2_22 U7.2 | length 1082.6
  Top1 w6: U7.2@2985.8,4528 2991.3,4533.5 2991.3,4561.63 3249.67,4820 3560.17,4820 3803.55,5063.39 7020.J2_22@3803.55,5089.96
DB12C: 7020.J2_56 U4.2 | length 667.2
  Top1 w6: 7020.J2_56@4338.98,5089.96 4338.98,5006.02 4595,4750 U4.2@4595,4528.8